# Altium PCB 400150.PcbDoc (part 3 of 3)
Units mil, origin at the board's own origin, x right, y up, seen from the top; angles counter-clockwise.
Board outline 4000 x 2500 mil, 4 copper layers (Top Layer, Mid-Layer 1, Mid-Layer 2, Bottom Layer), stack 62.293 mil thick; 195 components, 149 nets, 903 pads, 605 vias.
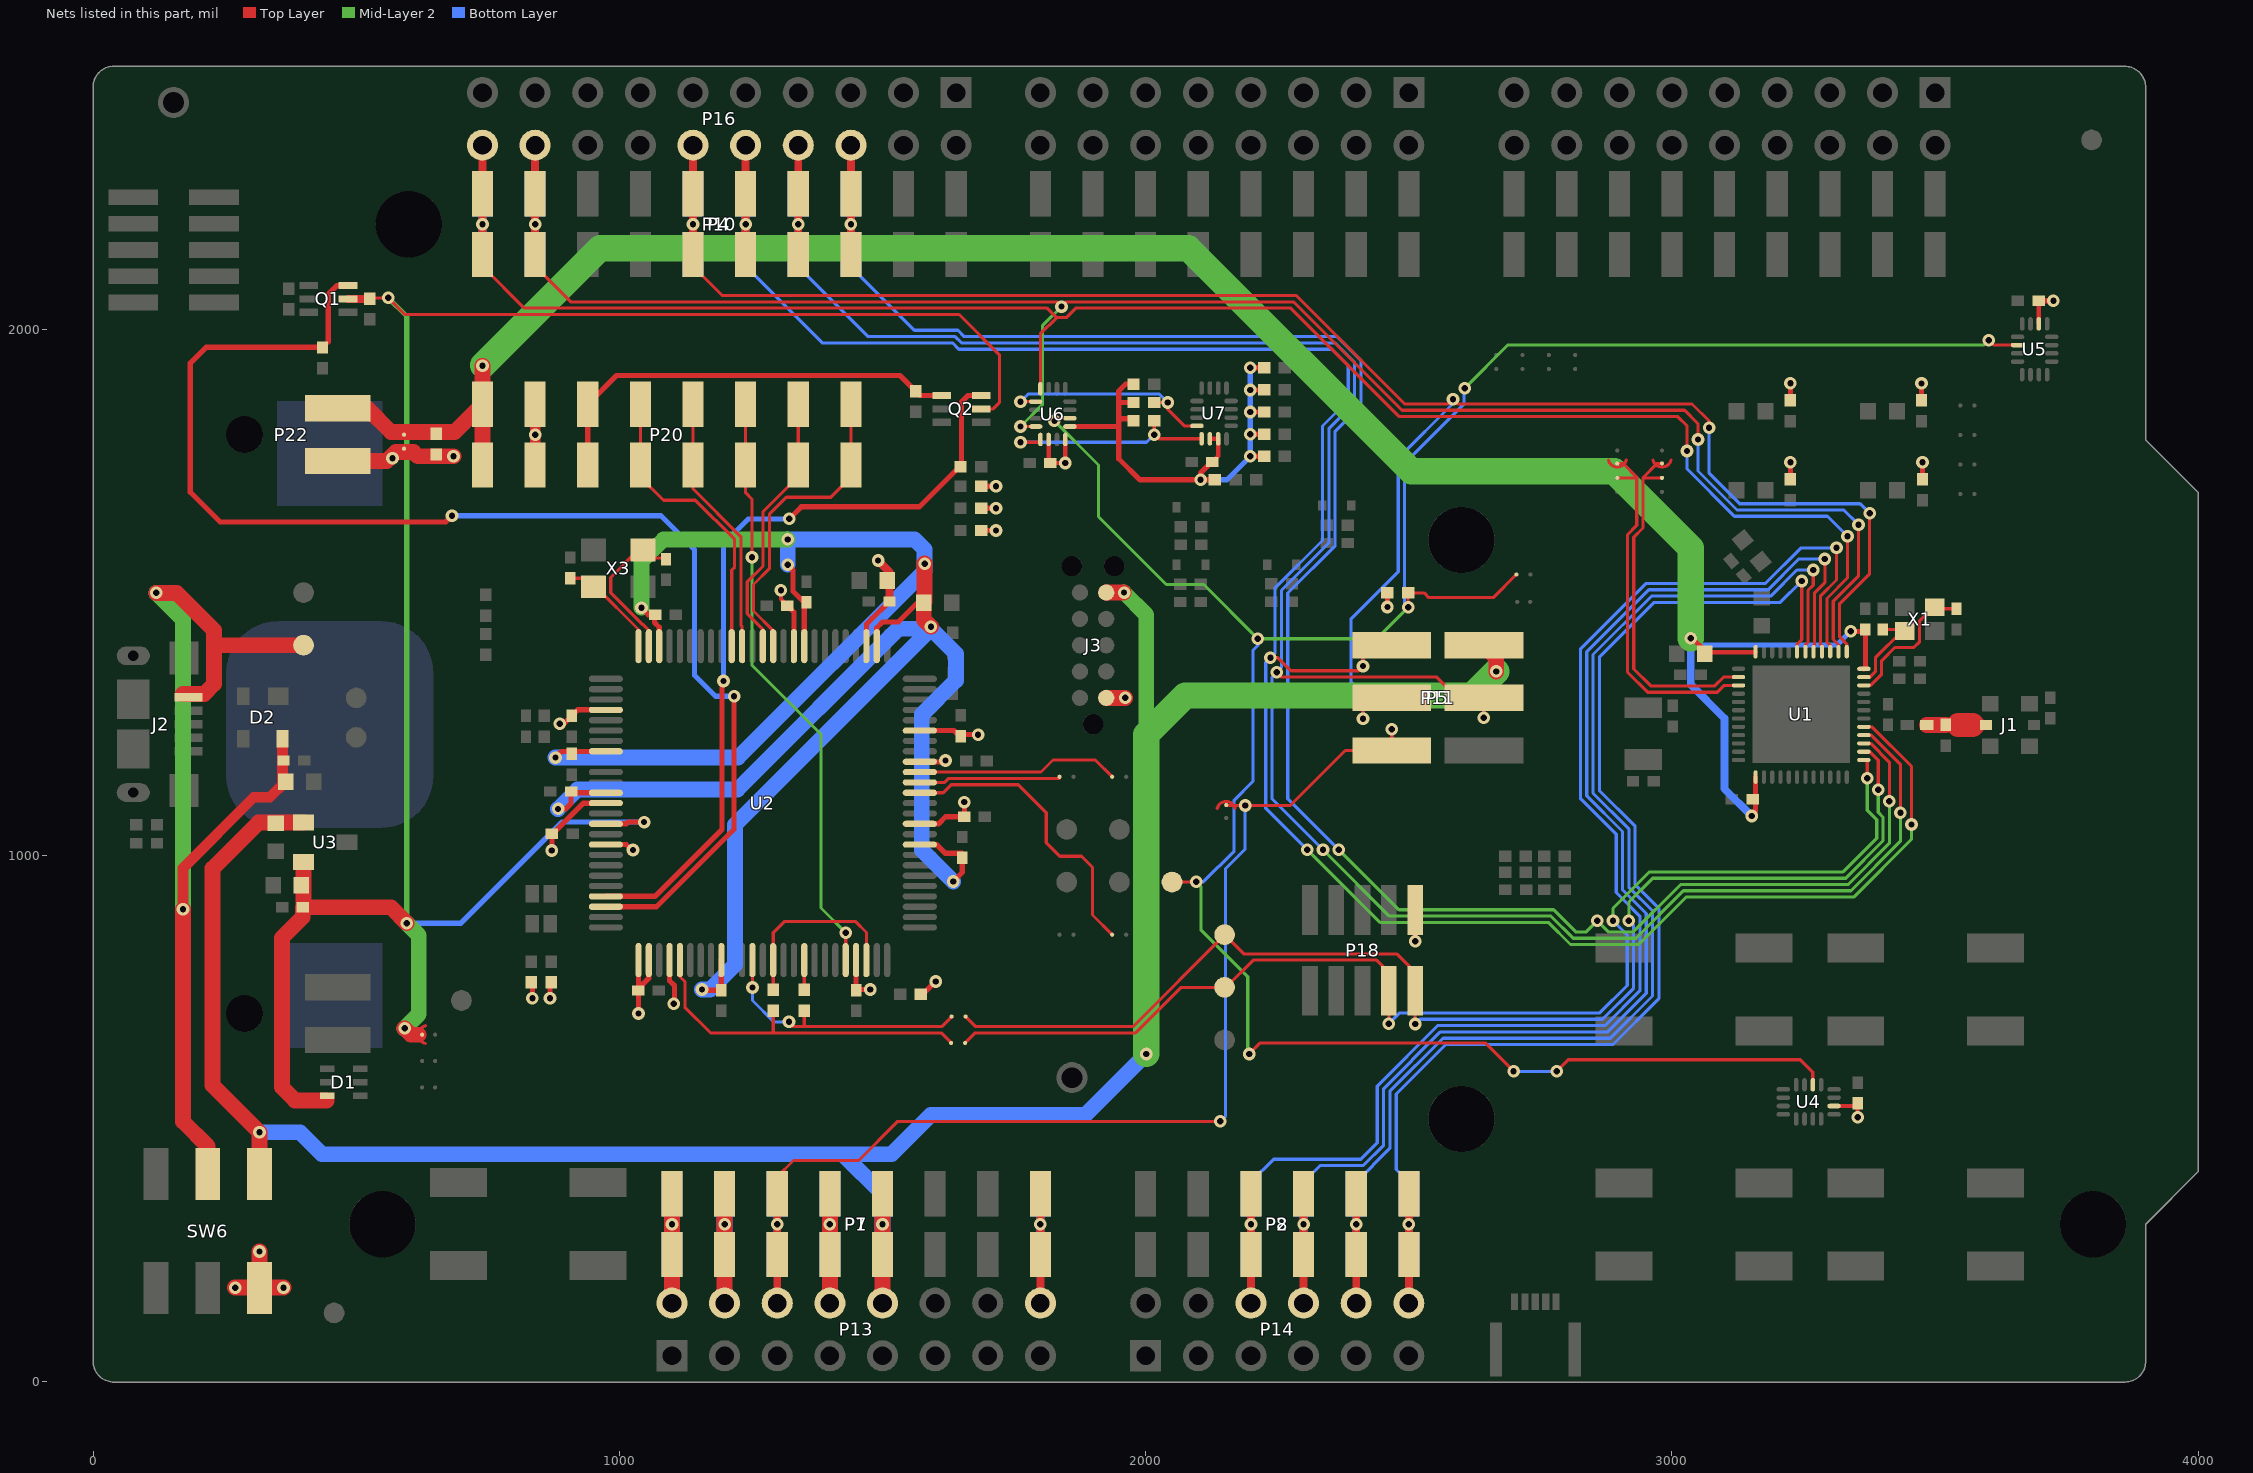
[diagram p5: the nets of this part, all layers, seen from the top]

## Via types
v1: diameter 24, hole 12, Top Layer to Bottom Layer, tented both sides, 568 vias
v2: diameter 24, hole 12, Top Layer to Bottom Layer, 21 vias
v3: diameter 25.98, hole 12.99, Top Layer to Bottom Layer, tented both sides, 16 vias

## Nets (pads, with @x,y where several pads share a name; then routed paths per layer and width w, separated by ;. In a path a pad name is that pad's centre, name@x,y a point inside that pad or via, vN(x,y) a via of type N, cw(c..) or ccw(c..) an arc to the next point about the centre after c; other vN are vias at no path point) (continued)
P0.22: P4.3 P10.3 P16.6 U1.27 | length 3855.2
  Top Layer w6: U1.27@3364.56,1213.05 3377.32,1213.05 3413,1177.36 v1(3413,1103.03)
  Top Layer w15: P4.3@1440,2118.6 v1(1440,2199.6) P4.3@1440,2257.28 P16.6@1440,2349.6
  Mid-Layer 2 w6: v1(2367,1011) 2481,897 2775,897 2817,855 2837,855 v1(2858,876) 2879,855 2926.74,855 3016.74,945 3335,945 3413,1023 v1(3413,1103.03)
  Bottom Layer w6: P10.3@1440,2141.93 1440,2118.6 1560.6,1998 1643.38,1998 1655.38,1986 2364,1986 2409,1941 2409,1855.17 2360,1806.17 2360,1588.74 2270,1498.74 2270,1107.89 v1(2367,1011)
  Bottom Layer w15: P10.3@1440,2141.93 v1(1440,2199.6) P10.3@1440,2257.28
P0.23: P4.4 P5.4 P10.4 P11.4 P16.8 U1.28 | length 4527.4
  Top Layer w6: v1(2249,1348) 2258,1339 2553,1339 2592.4,1299.6 P5.4@2642.5,1299.6 v1(2642.5,1261.6) ; U1.28@3364.56,1228.79 3378.54,1228.79 3434,1173.33 v1(3434,1081.03)
  Top Layer w15: P4.4@1340,2118.6 v1(1340,2199.6) P4.4@1340,2257.28 P16.8@1340,2349.6
  Mid-Layer 2 w6: v1(2337,1011) 2463,885 2770.03,885 2812.03,843 2931.71,843 3021.71,933 3340.03,933 3434,1026.97 v1(3434,1081.03)
  Bottom Layer w6: P10.4@1340,2141.93 1340,2118.6 1472.6,1986 1638,1986 1650,1974 2359.03,1974 2397,1936.03 2397,1860.14 2348,1811.14 2348,1593.71 2258,1503.71 2258,1357 v1(2249,1348) 2240,1339 2240,1108 v1(2337,1011) ; v1(2642.5,1261.6) 2642.5,1299.6 P11.4@2666.22,1299.6
  Bottom Layer w15: P10.4@1340,2141.93 v1(1340,2199.6) P10.4@1340,2257.28
P0.24: P4.5 P5.1 P10.5 P11.1 P16.10 U1.29 | length 4444
  Top Layer w6: v1(2237,1376) 2250.83,1376 2275.83,1351 2404,1351 v1(2413,1360) P5.1@2413,1399 ; U1.29@3364.56,1244.54 3379.76,1244.54 3455,1169.3 v1(3455,1059.03)
  Top Layer w15: P4.5@1240,2119.6 v1(1240,2199.6) P4.5@1240,2257.28 P16.10@1240,2349.6
  Mid-Layer 2 w6: v1(2307,1011) 2445,873 2765.06,873 2807.06,831 2936.68,831 3026.68,921 3345,921 3455,1031 v1(3455,1059.03)
  Bottom Layer w6: P10.5@1240,2141.93 1240,2119.6 1385.6,1974 1633.03,1974 1645.03,1962 2354.06,1962 2385,1931.06 2385,1865.11 2336,1816.11 2336,1598.68 2246,1508.68 2246,1385 v1(2237,1376) ; v1@2237,1375 v1(2237,1376) ; v1(2307,1011) 2228,1090 2228,1367 v1(2237,1376) ; v1(2413,1360) P11.1@2413,1400
  Bottom Layer w15: P10.5@1240,2141.93 v1(1240,2199.6) P10.5@1240,2257.28
P0.25: P4.6 P5.3 P10.6 P11.3 P16.12 U1.37 | length 3916.4
  Top Layer w6: P4.6@1140,2119.6 1195.6,2064 2286,2064 2492,1858 2575,1858 v1(2584,1867) 2593,1858 3038,1858 3070.47,1825.54 v1(3070.47,1812.54) ; v1(2413,1260) P5.3@2413,1298 ; U1.37@3332.08,1387.26 3332.08,1401.77 3318.47,1415.39 3318.47,1478.53 3375.47,1535.53 v1(3375.47,1650.54)
  Top Layer w15: P4.6@1140,2119.6 v1(1140,2199.6) P4.6@1140,2257.28 P16.12@1140,2349.6
  Bottom Layer w6: v1(2413,1260) P11.3@2413,1298 ; P11.3@2420.19,1299.6 P11.3@2443.78,1299.6 2420.4,1299.6 2390,1330 2390,1449 2480,1539 2480,1754.88 2584,1858.88 v1(2584,1867) ; v1(3070.47,1812.54) 3070.47,1726.51 3128.44,1668.54 3357.47,1668.54 v1(3375.47,1650.54)
  Bottom Layer w15: P10.6@1140,2141.93 v1(1140,2199.6) P10.6@1140,2257.28
P0.26: P4.9 P10.9 P16.18 U1.38 U6.12 | length 3677.8
  Top Layer w6: P4.9@840,2119.6 907.6,2052 1831,2052 v1(1840,2043) 1849,2052 2280.97,2052 2486.97,1846 3024,1846 3049.47,1820.54 v1(3049.47,1790.54) ; v1(1762.14,1815.15) U6.12@1791.14,1815.15 ; U1.38@3316.33,1387.26 3316.33,1400.55 3306.47,1410.42 3306.47,1483.5 3354.47,1531.5 v1(3354.47,1628.54)
  Top Layer w15: P4.9@840,2119.6 v1(840,2199.6) P4.9@840,2257.28 P16.18@840,2349.6
  Mid-Layer 2 w6: v1(1762.14,1815.15) 1804.31,1857.32 1804.31,2007.31 v1(1840,2043)
  Bottom Layer w6: v1(3049.47,1790.54) 3049.47,1730.54 3123.47,1656.54 3326.47,1656.54 v1(3354.47,1628.54)
  Bottom Layer w15: P10.9@840,2141.93 v1(840,2199.6) P10.9@840,2257.28
P0.27: P4.10 P10.10 P16.20 U1.39 U6.8 | length 3600
  Top Layer w6: P4.10@740,2119.6 819.6,2040 1812.83,2040 1830.83,2022 ; U6.8@1800,1887 1800,1991.18 1830.83,2022 ; v1(3028.47,1768.54) 3028.47,1816.54 3011,1834 2482,1834 2276,2040 1867,2040 1849,2022 1830.83,2022 ; U1.39@3300.59,1387.26 3300.59,1399.33 3294.47,1405.45 3294.47,1488.47 3333.47,1527.47 v1(3333.47,1606.54)
  Top Layer w15: P4.10@740,2119.6 v1(740,2199.6) P4.10@740,2257.28 P16.20@740,2349.6
  Bottom Layer w6: v1(3028.47,1768.54) 3028.47,1734.57 3118.5,1644.54 3295.47,1644.54 v1(3333.47,1606.54)
  Bottom Layer w15: P10.10@740,2141.93 v1(740,2199.6) P10.10@740,2257.28
P0.28: P2.3 P8.3 P14.6 U1.40 | length 2770.9
  Top Layer w6: U1.40@3284.84,1387.26 3284.84,1398.11 3282.47,1400.48 3282.47,1493.54 3312.47,1523.54 v1(3312.47,1584.54)
  Top Layer w15: P14.6@2200,149.6 P2.3@2200,241.93 v1(2200,299.6) P2.3@2200,357.28
  Bottom Layer w6: P8.3@2200,357.28 2200,380 2243,423 2408.68,423 2440,454.33 2440,562 2555,677 2872.94,677 2939,743.06 2939,884.83 2894,929.83 2894,1040.77 2826,1108.77 2826,1392 2951,1517 3177.74,1517 3245.28,1584.54 v1(3312.47,1584.54)
  Bottom Layer w15: P8.3@2200,241.93 v1(2200,299.6) P8.3@2200,357.28
P0.29: P2.4 P8.4 P14.8 U1.41 | length 2614.3
  Top Layer w6: U1.41@3269.09,1387.26 3269.09,1398.87 3270.47,1400.25 3270.47,1498.54 3290.47,1518.54 v1(3290.47,1563.54)
  Top Layer w15: P14.8@2300,149.6 P2.4@2300,241.93 v1(2300,299.6) P2.4@2300,357.28
  Bottom Layer w6: P8.4@2300,379.61 2331.4,411 2413.68,411 2452,449.33 2452,557 2560,665 2877.92,665 2951,738.09 2951,889.8 2906,934.8 2906,1045.74 2838,1113.74 2838,1386.95 2956.06,1505 3182.71,1505 3241.25,1563.54 v1(3290.47,1563.54)
  Bottom Layer w15: P8.4@2300,241.93 v1(2300,299.6) P8.4@2300,379.61
P0.30: P2.5 P8.5 P14.10 U1.42 | length 2451.5
  Top Layer w6: U1.42@3253.34,1387.26 3253.34,1400.1 3258.47,1405.22 3258.47,1503.79 3268.47,1513.79 v1@3268.47,1533.54
  Top Layer w15: P14.10@2400,149.6 P2.5@2400,241.93 v1(2400,299.6) P2.5@2400,357.28
  Bottom Layer w6: P8.5@2400,379.61 2464,443.6 2464,552.03 2564.97,653 2882.89,653 2963,733.12 2963,894.77 2918,939.77 2918,1050.71 2850,1118.71 2850,1381.97 2961.03,1493 3187.68,1493 3237.22,1542.54 v1(3268.47,1542.54)
  Bottom Layer w15: P8.5@2400,241.93 v1(2400,299.6) P8.5@2400,379.61
P0.31: P2.6 P8.6 P14.12 U1.43 | length 2374.7
  Top Layer w6: U1.43@3237.59,1387.26 3237.59,1401.32 3246.47,1410.19 v1(3246.47,1521.54)
  Top Layer w15: P14.12@2500,149.6 P2.6@2500,241.93 v1(2500,299.6) P2.6@2500,357.28
  Bottom Layer w6: P8.6@2500,357.28 2500,379.6 2476,403.6 2476,547.06 2569.94,641 2887.86,641 2975,728.15 2975,899.74 2930,944.74 2930,1055.68 2862,1123.68 2862,1377 2966,1481 3205.93,1481 v1(3246.47,1521.54)
  Bottom Layer w15: P8.6@2500,241.93 v1(2500,299.6) P8.6@2500,357.28
PB5: Q2.3 R10.2 U2.97 | length 1490
  Top Layer w10: U2.97@974.38,922.44 1067.84,922.44 1195,1049.6 1195,1328.6 v1(1198,1331.6) ; v1(1322.85,1639.6) 1345.85,1662.6 1570.28,1662.6 R10.2@1645.75,1738.08 ; R10.2@1650,1739.78 1650,1861.6 1662.59,1874.19 Q2.3@1687.41,1874.19
  Bottom Layer w10: v1(1198,1331.6) 1198,1592.6 1245,1639.6 v1(1322.85,1639.6)
PB6: Q1.3 R11.2 U2.98 | length 2561
  Top Layer w10: R11.2@436,1965.29 R11.2@436.32,1965.6 ; Q1.3@484.41,2083.19 463.59,2083.19 447,2066.6 447,1976.29 R11.2@436.32,1965.6 ; v1(682,1645.6) 670,1633.6 241.68,1633.6 185,1690.28 185,1935.6 215,1965.6 R11.2@436.32,1965.6 ; U2.98@974.38,902.75 1070.78,902.75 1218,1049.98 v1(1218,1302.6) ; v1@1221,1302.6 v1@1221,1304.6
  Bottom Layer w10: v1(682,1645.6) 1079,1645.6 1143,1581.6 1143,1342.6 1183,1302.6 v1@1217,1302.6
RESET: P1.3 P5.5 P7.3 P11.5 P13.6 SB17.1 | length 2297.9
  Top Layer w6: P1.3@1300,357.28 1300,389.6 1331,420.6 1454.6,420.6 1529,495 v1(2142,495) ; SB17.1@2154,1095 2167.62,1095 v1(2189,1095) 2274.9,1095 2379.5,1199.6 P5.5@2467.5,1199.6 ; P5.5@2467.69,1199.79 v1(2467.69,1240)
  Top Layer w15: P13.6@1300,149.6 P1.3@1300,241.93 v1(1300,299.6) P1.3@1300,357.28
  Bottom Layer w6: v1(2142,495) 2152,505 2152,975.33 2189,1012.33 v1(2189,1095) ; P11.5@2467.69,1199.6 v1(2467.69,1240)
  Bottom Layer w15: P7.3@1300,241.93 v1(1300,299.6) P7.3@1300,357.28
RF: C13.1 J1.1 L1.2 | length 62.9
  Top Layer w20: C13.1@3519.88,1248.16 C13.1@3520,1248.29
  Top Layer w30: L1.2@3484.17,1248.16 C13.1@3519.88,1248.16
  Top Layer w45: 3543.88,1248.16 3570.88,1248.16
RTS: SB24.2 U2.39 | length 576.5
  Top Layer w6: U2.39@1570.84,1119.29 1615.26,1119.29 1630.64,1134.66 1758,1134.65 1811.06,1081.59 1811.05,1024.55 1837,998.61 1878.01,998.6 1899.01,977.6 1899,887.01 SB24.2@1936.4,849.6
RXD: SB23.2 U2.40 | length 268.7
  Top Layer w6: U2.40@1570.84,1138.97 1617.98,1138.97 1625.66,1146.66 SB23.2@1836.4,1146.66
SCL_EXT: R30.1 U6.9 U7.12 | length 428.2
  Top Layer w6: v1(1762.14,1862.4) U6.9@1791.14,1862.4 ; R30.1@2016.31,1860.78 v1(2041.94,1860.78) 2041.94,1848 2073.56,1816.38 U7.12@2097.46,1816.38
  Bottom Layer w6: v1(1762.14,1862.4) 1776.52,1876.78 2025.4,1876.78 ; 2025.71,1877 v1(2041.94,1860.78)
SDA_EXT: R29.1 U6.13 U7.13 | length 417.5
  Top Layer w6: v1(1762.14,1785.15) U6.13@1800.14,1785.15 ; R29.1@2016.31,1825.78 v1(2016.31,1799.78) 2024.31,1791.78 U7.13@2106.32,1791.78
  Bottom Layer w6: v1(1762.14,1785.15) 2001.69,1785.15 v1(2016.31,1799.78)
SH_GND_DETECT: P20.8 U2.62 | length 601.1
  Top Layer w6: U2.62@1292.29,1397.83 1292.29,1427.31 1255,1464.6 1255,1514.93 1285,1544.93 1285,1648.2 1317.41,1680.6 1402,1680.6 1440,1718.6 P20.8@1440,1857.28
SH_RESET: P20.7 U2.63 | length 511.9
  Top Layer w6: U2.63@1272.61,1397.83 1272.61,1430.03 1243,1459.63 1243,1519.9 1273,1549.9 1273,1653.2 1340,1720.2 P20.7@1340,1741.93 P20.7@1340,1857.28
SH_SWDCLK: P20.5 U2.65 | length 498.1
  Top Layer w6: P20.5@1140,1857.28 1140,1696.6 1231,1605.6 1231,1437.69 1233.24,1435.46 U2.65@1233.24,1397.83
SH_SWDIO: P20.4 U2.66 | length 567.7
  Top Layer w6: P20.4@1040,1741.93 1040,1718.88 1083.85,1675.04 1144.57,1675.04 1219,1600.6 1219,1548.04 1213.56,1542.59 U2.66@1213.55,1397.83 ; P20.4@1040,1745.6 P20.4@1040,1857.28
SH_SWO: P20.6 U2.21 | length 1134.6
  Top Layer w6: P20.6@1240,1857.28 P20.6@1240,1741.93 1240,1689.04 1252,1677.04 v1(1252,1566.93) ; U2.21@1430.09,801.37 v1(1430.09,853.37)
  Mid-Layer 2 w6: v1(1252,1566.93) 1252,1361.46 1383.09,1230.37 1383.09,900.37 v1(1430.09,853.37)
SH_VTG: P20.3 Q2.4 R9.1 | length 941.6
  Top Layer w6: P20.3@940,1741.93 P20.3@940,1857.28
  Top Layer w10: P20.3@940,1741.93 P20.3@940,1857.28 994.73,1912 1533.29,1912 R9.1@1563,1882.29 1571.1,1874.19 Q2.4@1612.6,1874.19
SHIELD_DETECT: R39.1 SB19.2 TP15.1 U4.2 U5.2 U6.2 | length 4848.3
  Top Layer w6: v1(1826.62,1825.78) 1831.75,1830.9 U6.2@1856.1,1830.9 ; TP15.1@2050,949.6 2095.6,949.6 v1(2096,950) ; v1(2197,623) 2218,644 2645,644 v1(2699,590) ; v1(2499,1472) 2498.69,1472.32 R39.1@2498.69,1499 2529,1499 2538,1490 2660.4,1490 SB19.2@2704.4,1534 ; v1(2781,590) 2803,612 3243.67,612 3267.54,588.13 U4.2@3267.54,564.48 ; v1(3602,1979) 3611,1970 3656.4,1970 U5.2@3656.52,1969.88
  Mid-Layer 2 w6: v1(1826.62,1825.78) 1910.31,1742.09 1910.31,1644 2039.31,1515 2110,1515 v1(2213,1412) 2439,1412 v1(2499,1472) ; v1(2096,950) 2105,941 2105,859 2194,770 2194,626 v1(2197,623) ; v1(2606,1888) 2688,1970 3593,1970 v1(3602,1979)
  Bottom Layer w6: v1(2096,950) 2109.71,950 2168,1008.3 2168,1105 2204,1141 2204,1390 2213,1399 v1(2213,1412) ; v1(2499,1472) 2492,1479 2492,1745.31 2605,1858.31 2605,1887 v1(2606,1888) ; v1(2699,590) v1(2781,590)
SWDCLK: P18.4 SB21.1 TP10.1 U1.25 | length 2328
  Top Layer w6: SB21.1@1657.02,644 1676.02,663 1981,663 2067.6,749.6 TP10.1@2150,749.6 2152.6,749.6 2204.23,801.23 2438.78,801.23 2462,778 P18.4@2462,746.23 ; v1(2462,680.23) P18.4@2462,743 ; v1(3371,1147.03) U1.25@3371,1182.03
  Mid-Layer 2 w6: v1(2888,876) 2888,899.7 2957.31,969 3325.03,969 3389,1032.97 3389,1068 3371,1086 v1(3371,1147.03)
  Bottom Layer w6: v1(2462,680.23) 2482.78,701 2863,701 2915,753 2915,849 v1(2888,876)
SWDIO: P18.2 SB20.1 TP9.1 U1.26 | length 2391.2
  Top Layer w6: SB20.1@1658.02,694 1677.02,675 1976,675 2150.3,849.3 2186.38,813.23 2476.78,813.23 2512,778 P18.2@2512,746.23 ; v1(2512,680) P18.2@2512,743 ; U1.26@3364.56,1197.3 3375.97,1197.3 3392,1181.26 v1(3392,1125.03)
  Mid-Layer 2 w6: v1(2918,876) 2918,911.7 2963.31,957 3330.03,957 3401,1027.97 3401,1072.97 3392,1081.97 v1(3392,1125.03)
  Bottom Layer w6: v1(2512,680) 2521,689 2867.97,689 2927,748.03 2927,867 v1(2918,876)
TCKIN: R16.2 SB21.2 U2.5 | length 669.8
  Top Layer w6: U2.5@1115.13,801.37 1115.13,770.08 1124.61,760.6 1124.61,711.6 1173.21,663 1292.35,663 ; R16.2@1292.35,705.32 1292.35,663 ; SB21.2@1630.42,644 1611.42,663 1292.35,663
TCKOUT: R16.1 U2.14 U2.23 | length 343.6
  Top Layer w6: 1292.29,756.97 U2.14@1292.29,801.37 1292.29,853.58 1313.09,874.37 1449.09,874.37 1469.61,853.85 1469.61,801.52 U2.23@1469.46,801.37
TMSIN: R15.2 SB20.2 U2.12 | length 513.8
  Top Layer w6: v1(1252.92,749.37) U2.12@1252.92,801.37 ; v1(1322.35,684) 1331.35,675 1612.42,675 SB20.2@1631.42,694 ; 1351.35,675.26 R15.2@1351.35,705.32
  Bottom Layer w6: v1(1252.92,749.37) 1252.92,724.54 1293.46,684 v1(1322.35,684)
TMSOUT: R15.1 U2.17 | length 56.7
  Top Layer w6: R15.1@1351.35,744.69 U2.17@1351.35,801.37
TXD: SB25.2 U2.41 | length 388.3
  Top Layer w6: U2.41@1570.84,1158.66 1801.06,1158.66 1824,1181.6 1904.4,1181.6 SB25.2@1936.4,1149.6
USB_DETECT: C17.2 C18.2 D1.6 Q1.2 Q2.2 R7.1 SB10.2 U2.90 U3.2 | length 4223
  Top Layer w6: R7.1@526,2058.29 527.32,2059.6 v1(561,2059.6) 592.6,2028 1645.6,2028 1722.18,1951.43 1722.18,1860.64 1710.14,1848.6 Q2.2@1687.41,1848.6
  Top Layer w10: U2.90@974.38,1060.23 1013.11,1060.23 1016.48,1063.6 v1(1047,1063.6)
  Top Layer w15: Q1.2@484.41,2057.6 R7.1@525.32,2057.6
  Top Layer w30: U3.2@400,987.8 400,902.92 C18.2@398.69,901.6 ; 444,534.6 384,534.6 359,559.6 359,843.6 398.69,883.29 C18.2@398.69,901.6 ; v1(592,671.6) 604,659.6 619,659.6 ; v1(596,871.6) 566,901.6 C18.2@398.69,901.6
  Mid-Layer 2 w10: v1(561,2059.6) 596,2024.6 v1(596,871.6)
  Mid-Layer 2 w30: v1(592,671.6) 619,698.6 619,848.6 v1(596,871.6)
  Bottom Layer w10: v1(596,871.6) 699,871.6 891,1063.6 v1(1047,1063.6)
V5V: C16.2 J3.5 P1.5 P5.2 P7.5 P11.2 P13.10 SW6.6 U3.1 | length 4880
  Top Layer w30: SW6.6@316.43,394.87 v1(316.43,474.18) 227,563.6 227,975.18 314.43,1062.6 U3.1@400,1062.6 ; P13.10@1500,149.6 P1.5@1500,241.93 v1(1500,299.6) P1.5@1500,357.28 ; J3.5@1925,1499.6 v1@1958,1499.6 ; P5.2@2642.5,1399.6 2666.22,1375.88 v1(2666.22,1349.82)
  Mid-Layer 2 w30: v1(1959,1499.6) 2001,1457.6 2001,1138
  Mid-Layer 2 w50: v1(2001,623) 2001,1230 2075,1304 2620.4,1304 v1(2666.22,1349.82)
  Bottom Layer w30: v1(316.43,474.18) 393.43,474.18 435,432.6 1424.68,432.6 ; P7.5@1500,241.93 v1(1500,299.6) P7.5@1500,357.28 1424.68,432.6 ; v1(2001,623) 1885.6,507.6 1592,507.6 1517,432.6 1424.68,432.6 ; v1(2666.22,1349.82) P11.2@2666.22,1399.6
VBUS: C20.2 C21.2 D2.4 J2.1 SW6.5 TP3.1 | length 2047.6
  Top Layer w20: v1(171,898) 171,976 305.6,1110.6 336.04,1110.6 C20.2@366.04,1140.6 ; C20.2@360.01,1137.61 D2.4@360.01,1222.25
  Top Layer w30: v1(120,1499) 159,1499 230,1428 230,1325.76 211.25,1307 J2.1@171,1307 ; v1(171,898) 171,494.6 218,447.6 SW6.5@218,394.87 ; 231.4,1399.6 TP3.1@400,1399.6
  Mid-Layer 2 w30: v1(120,1499) 171,1448 v1(171,898)
VCORE: C25.2 C27.2 C31.2 C34.2 C36.1 C39.2 C40.2 U2.9 U2.34 U2.52 U2.59 U2.73 U2.83 U2.87 | length 4851.6
  Top Layer w10: v1(878.61,1186.13) 890.08,1197.6 U2.83@973.96,1197.6 ; v1(883.61,1088.6) 897.72,1088.6 908.29,1099.18 C40.2@908.29,1121.6 ; C40.2@914.96,1119.29 U2.87@974.38,1119.29 ; v1(1042,1470.6) 1055,1457.6 C36.1@1066.97,1457.6 ; C36.1@1067.92,1457.6 C36.1@1066.97,1457.6 ; U2.73@1075.76,1397.83 1075.76,1433.85 1066.97,1442.64 C36.1@1066.97,1457.6 ; v1(1157,745.6) 1158.32,744.29 C25.2@1193.61,744.29 ; C25.2@1193.87,745.27 U2.9@1193.87,801.37 ; v1(1320,1552.6) 1330,1542.6 1330,1502.24 1340,1492.24 C34.2@1353.47,1478.78 ; U2.59@1351.35,1397.83 1351.35,1476.66 C34.2@1353.47,1478.78 ; C34.2@1355.61,1480.92 C34.2@1353.47,1478.78 ; U2.52@1489.15,1397.83 1489.15,1432.71 1500.04,1443.6 1530,1443.6 1567,1480.6 C31.2@1578.43,1480.6 ; U2.34@1570.84,1020.86 1602.35,1020.86 1618.61,1004.6 C27.2@1649.94,1004.6 ; v1(1634.61,950.6) 1651.61,967.6 C27.2@1651.61,995.92 ; C27.2@1650.92,998.29 C27.2@1650.92,1004.6
  Top Layer w30: v1(1580,1554.6) 1580,1482.18 C31.2@1578.43,1480.6 1578.43,1448.18 v1(1592,1434.6)
  Mid-Layer 2 w30: v1(1042,1470.6) 1042,1558.6 1084,1600.6 v1(1320,1600.6)
  Bottom Layer w30: v1(878.61,1186.13) 1225.53,1186.13 1580,1540.6 v1(1580,1554.6) 1580,1581.6 1561,1600.6 v1(1320,1600.6) v1(1320,1552.6) ; v1(883.61,1088.6) 920.61,1125.6 1224.61,1125.6 1530,1431 v1@1592,1431 ; v1(1157,745.6) 1172.61,745.6 1219.61,792.6 1219.61,1058.6 v1@1592,1431 ; v1(1634.61,950.6) 1574.61,1010.6 1574.61,1267.77 1639.61,1332.77 1639.61,1383.39 v1@1592,1431
VDD_NRF: C5.1 C8.1 C9.1 P20.1 P22.1 R6.2 SB9.1 U1.13 U1.36 U1.48 | length 4322.1
  Top Layer w9: v1(3035.63,1412.93) 3038.89,1412.93 3062.2,1389.62 3065.55,1386.27 U1.48@3158.47,1386.27 ; v1(3151.47,1075.16) 3158.85,1082.55 U1.13@3158.85,1149.07
  Top Layer w10: v1(3339.47,1426.16) 3340.15,1425.48 3367.47,1425.48 3367.47,1357.68 U1.36@3364.56,1354.78
  Top Layer w15: C9.1@3062.2,1382.93 C9.1@3062.2,1389.62
  Top Layer w30: P22.1@465,1849.6 521,1849.6 566,1804.6 687.33,1804.6 P20.1@740,1857.28 ; P20.1@740,1741.93 P20.1@740,1857.28 ; v1(740,1930.6) P20.1@740,1857.28
  Mid-Layer 2 w50: v1@741,1931.6 963.4,2154 2081,2154 2505,1730 2890,1730 3035.63,1584.38 v1(3035.63,1412.93)
  Bottom Layer w10: v1(3035.63,1412.93) 3048.39,1400.16 3313.47,1400.16 ; 3313.88,1400.16 3313.47,1400.16 ; v1(3339.47,1426.16) 3313.47,1400.16
  Bottom Layer w15: v1(3035.63,1412.93) 3035.63,1324.82 3099.52,1260.93 3099.52,1127.11 v1(3151.47,1075.16)
VEXT: C47.2 R29.2 R30.2 R31.2 R32.2 R33.2 R34.2 R35.2 R36.2 R37.2 U6.1 U7.14 U7.15 | length 1033.9
  Top Layer w8: U7.14@2122.06,1791.78 U7.15@2137.81,1791.78 2137.81,1758.91 C47.2@2126.68,1747.78
  Top Layer w10: U6.1@1856.1,1815.15 1948.94,1815.15 ; R29.2@1976.94,1825.78 1972.94,1829.78 1952.01,1829.78 1948.94,1832.85 ; R30.2@1976.94,1860.78 1948.94,1860.78 ; R31.2@1976.94,1895.78 1962.18,1895.78 1948.94,1882.54 1948.94,1860.78 ; C47.2@2125.99,1748.46 2104.31,1726.78 v1(2104.31,1713.78) ; R37.2@2131.62,1713.78 v1(2104.31,1713.78) ; v1(2198.94,1758.63) R32.2@2225.25,1758.63 ; v1(2198.94,1800.63) R33.2@2225.25,1800.63 ; v1(2198.94,1842.63) R34.2@2225.25,1842.63 ; v1(2198.94,1884.63) R35.2@2225.25,1884.63 ; v1(2198.94,1926.63) R36.2@2225.25,1926.63 ; 1948.94,1815.15 1948.94,1832.85 ; 1948.94,1815.15 1948.94,1754 1989.17,1713.78 v1(2104.31,1713.78) ; 1948.94,1832.85 1948.94,1860.78
  Bottom Layer w10: v1(2104.31,1713.78) 2154.09,1713.78 v1(2198.94,1758.63) v1(2198.94,1800.63) v1(2198.94,1842.63) v1(2198.94,1884.63) v1(2198.94,1926.63)
VIN: P1.8 P7.8 P13.16 | length 323
  Top Layer w15: P13.16@1800,149.6 P1.8@1800,241.93 v1(1800,299.6) P1.8@1800,357.28
  Bottom Layer w15: P7.8@1800,241.93 v1(1800,299.6) P7.8@1800,357.28
VIO: C24.2 C26.2 C28.2 C29.2 C32.2 C33.2 C35.2 C38.2 C41.2 C44.2 C45.2 C46.2 J3.1 P1.1 P1.2 P1.4 P7.1 P7.2 P7.4 P13.2 P13.4 P13.8 P18.1 P20.2 P22.2 R1.2 R2.2 R3.2 R4.2 R5.2 R6.1 R19.2 R20.2 R21.2 R22.2 R23.2 R39.2 SB9.2 SW6.3 U2.1 U2.2 U2.4 U2.22 U2.36 U2.42 U2.45 U2.53 U2.60 U2.79 U2.88 U2.92 U4.14 U5.14 U6.14 U6.16 | length 3478.5
  Top Layer w6: P20.2@840,1728.6 P20.2@840,1741.93 ; U2.88@974.38,1099.6 U2.88@981,1099.6
  Top Layer w8: v1(1307,1503.93) 1307,1486.89 C35.2@1319.29,1474.6 ; C46.2@1812.75,1750.35 1817.16,1745.94 C46.2@1817.32,1745.78 ; C46.2@1815.75,1749.02 U6.14@1815.75,1790.55 ; C46.2@1818.99,1745.78 v1(1846.99,1745.78) ; v1@1847.25,1745.78 U6.16@1847.25,1790.55 ; U4.14@3307.9,524.13 3352.48,524.13 C44.2@3352.67,524.32 ; v1(3352.67,503) C44.2@3352.67,524.32 ; C44.2@3352.67,529.32 C44.2@3352.67,524.32 ; C45.2@3696.69,2054 3696.88,2053.81 U5.14@3696.88,2010.23
  Top Layer w10: v1@834.88,729.6 R20.2@834.88,758.92 ; v1@868.34,728.6 R19.2@868.34,758.92 ; v1@871.92,1009.6 C41.2@871.92,1041.6 ; C41.2@874.92,1042.92 931.61,1099.6 U2.88@974.38,1099.6 ; v1@885.61,1250.6 v1(886.61,1250.6) 894.92,1250.6 C38.2@909.61,1265.29 ; C38.2@909.92,1265.6 921.09,1276.77 U2.79@974.38,1276.77 ; U2.92@974.38,1020.86 1013.22,1020.86 1023.48,1010.6 v1(1026,1010.6) ; v1(1036.39,699.82) U2.1@1036.39,801.37 ; C24.2@1036.61,747.6 1056.07,767.07 U2.2@1056.07,801.37 ; U2.4@1095.44,801.37 1095.44,762.22 1104.61,753.05 v1@1104.61,718.6 ; C35.2@1319.29,1474.6 1331.66,1462.23 U2.60@1331.66,1397.83 ; C26.2@1449.78,752.12 U2.22@1449.78,801.37 ; C26.2@1451.32,745.6 v1(1477,745.6) ; U2.53@1469.46,1397.83 1469.46,1439.45 1479.81,1449.8 1509.18,1479.18 C32.2@1509.18,1482.6 ; U2.36@1570.84,1060.23 1606.24,1060.23 1619.61,1073.6 C28.2@1654.92,1073.6 1655.61,1074.29 v1(1655.61,1101.6) ; U2.42@1570.84,1178.34 1571.58,1177.6 v1@1619.61,1177.6 ; U2.45@1570.84,1237.4 1635.81,1237.4 1643.29,1229.92 v1@1686.29,1229.92 ; R5.2@1572.69,736.6 1577,736.6 v1(1601,760.6) ; R21.2@1687.53,1617.6 v1(1715.69,1617.6) ; R22.2@1687.53,1659.6 v1(1715.69,1659.6) ; R23.2@1687.53,1701.6 v1(1715.69,1701.6) ; v1(2459.32,1472.32) R39.2@2459.32,1499 ; v1(2512,837) P18.1@2512,896.55 ; R3.2@3225.01,1714.68 v1(3225.01,1747) ; R1.2@3225.01,1864.68 v1(3225.01,1897.31) ; R2.2@3474.01,1864.68 v1(3474.01,1897) ; R4.2@3476.01,1714.68 v1(3476.01,1747) ; C45.2@3696.69,2054 v1(3724.69,2054)
  Top Layer w15: v1(1400,299.6) P1.4@1400,357.28 ; v1(1491.61,1560.6) 1513.3,1538.92 C32.2@1513.3,1482.6
  Top Layer w20: P20.2@840,1741.93 P20.2@840,1857.28
  Top Layer w30: v1(270,179.07) v1(362,179.07) ; SW6.3@316.42,176.36 v1(316.42,247.62) ; P22.2@465,1749.6 558,1749.6 575,1766.6 609,1766.6 617,1758.6 v1(685,1758.6) ; P13.2@1100,149.6 P1.1@1100,241.93 P1.1@1100,357.28 ; P13.4@1200,149.6 v1(1200,299.6) P1.2@1200,357.28 ; P13.8@1400,149.6 P1.4@1400,357.28 ; J3.1@1925,1299.6 v1(1961,1299.6)
  Bottom Layer w30: P7.1@1100,241.93 P7.1@1100,357.28 ; P7.2@1200,241.93 P7.2@1200,357.28 ; P7.4@1400,241.93 P7.4@1400,357.28
  other v1: 1100,299.6 1103.61,718.6 834.88,728.92 868.34,728.92 871.61,1009.6 1619.61,1180.6 1681.61,1229.6 569,1754.6 840,1799.6
XC1: C1.1 U1.34 X1.1 | length 274.7
  Top Layer w6: U1.34@3364.56,1323.28 3377.32,1323.28 3398.36,1344.32 3398.36,1370.13 3423.39,1395.17 3459.46,1395.17 3470.46,1406.17 3470.46,1446.17 3493.15,1468.85 C1.1@3540.46,1468.85
XC2: C2.1 U1.35 X1.3 | length 167.4
  Top Layer w6: U1.35@3364.56,1339.03 3375.97,1339.03 3386.36,1349.42 3386.36,1375.61 3437.28,1426.53 X1.3@3441.92,1426.53 ; C2.1@3400.47,1429.48 X1.3@3438.97,1429.48
XIN: C22.1 U2.75 X3.3 | length 201.7
  Top Layer w6: C22.1@906.61,1526.92 934.35,1526.92 X3.3@950.6,1510.66 ; X3.3@950.6,1510.54 955.29,1510.54 1036.39,1429.44 U2.75@1036.39,1397.83
XL1: SB2.2 SB4.1 U1.2 | length 673.2
  Top Layer w6: SB2.2@2981,1717.6 2945.4,1717.6 2945,1718 ; SB4.1@2981,1745 2972,1745 2945,1718 ; U1.2@3126.37,1339.03 3097.76,1339.03 3081.1,1322.38 2959.63,1322.38 2927.47,1354.54 2927.47,1604.68 2945,1622.22 2945,1718
XL2: SB1.2 SB3.1 U1.3 | length 693.2
  Top Layer w6: SB1.2@2896,1717.6 2931.6,1717.6 ; SB3.1@2896,1745 2907,1745 2933,1719 2933,1627.19 2915.47,1609.66 2915.47,1348.54 2953.63,1310.38 3086.07,1310.38 3098.98,1323.28 U1.3@3126.37,1323.28
XOUT: C23.1 U2.74 X3.1 | length 294
  Top Layer w6: U2.74@1056.07,1397.83 1056.07,1427.53 1050,1433.6 1044.29,1439.31 1043.49,1439.31 983.61,1499.19 983.61,1528.21 1036.06,1580.66 X3.1@1044.62,1580.66 1059.99,1565.29 C23.1@1088.61,1565.29
pads on no net: Bat1.0 Fid1.0 Fid2.0 J2.4 J2.6@76.53,1119.68 J2.6@76.53,1379.52 J3.0 J3.7 J3.9 P18.7 P18.8 P19.7 P19.8 P21.0 P22.0 P23.0 P23.1 P23.3 P23.5 SW6.1 SW6.4 U1.44 U2.6 U2.8 U2.10 U2.11 U2.13 U2.15 U2.16 U2.19 U2.25 U2.26 U2.28 U2.29 U2.30 U2.31 U2.32 U2.33 U2.37 U2.44 U2.48 U2.49 U2.50 U2.58 U2.64 U2.69 U2.86 U2.93 U2.94 U2.95 U2.96 U2.99 U2.100 U4.10 U5.10 U6.3 U6.7 U6.10 U6.11 U6.15

## Polygon pours and split planes (outlines as drawn)
VIO on Mid-Layer 2 "Mid_Layer_2-VIO" (solid, remove dead copper, pour order 10): -104.87,-142.03 -104.87,2619.48 -96.26,2635.53 4116.93,2635.53 4127.7,2655.6 4127.7,-134 4132,-142.03
GND on Bottom Layer "Bottom_Layer-GND" (solid, remove dead copper, pour order 6): -410.29,-103.54 -410.29,2687.1 -400.99,2703.32 4149.73,2703.32 4161.35,2723.6 4161.35,-95.42 4166,-103.54
GND on Top Layer "Top_Layer-GND" (solid, remove dead copper, pour order 8): -140.68,-93.7 -140.68,2627.01 -132.14,2642.83 4042.07,2642.83 4052.74,2662.6 4052.74,-85.79 4057,-93.7
GND on Mid-Layer 1 "Mid_Layer_1-GND" (solid, remove dead copper, pour order 7): -138.74,-96.92 -138.74,2579.59 -129.93,2595.15 4177.6,2595.15 4188.6,2614.6 4188.6,-89.14 4193,-96.92

## Keep-outs
Keep-Out Layer:
  circle w6: c2600,499.6 r94.49
  circle w6: c600,2199.6 r94.49
  circle w6: c2600,1599.6 r94.49
  circle w6: c3800,299.6 r94.49
  circle w6: c550,299.6 r94.49
  lines w10: 3861,-0.4 ccw(c3860.5,39.1) 3900,39.6 3900,299.6 4000,399.6 4000,1689.6 3900,1789.6 3900,2459.6 ccw(c3860,2459.6) 3860,2499.6 40,2499.6 ccw(c39.5,2460.1) 0,2460.6 0,39.6 ccw(c40,39.6) 40,-0.4 3862,-0.4
Mechanical 3:
  lines w1: 209,1333.56 293,1333.56 ; 217,1208.6 411.61,1208.6 428.78,1191.43 527.44,1191.43 ccw(c527.44,1234.89) 558.17,1204.16 703.61,1349.6 cw(c741.44,1311.77) 741.44,1365.27 764.61,1365.27 ; 390,1333.56 467.04,1333.56 ccw(c467.04,1356.56) 483.31,1340.3 634.86,1491.85 cw(c686.61,1440.1) 686.61,1513.29 ; 686.61,1513.6 927.61,1513.6 cw(c927.61,1465.32) 961.75,1499.46 1059.68,1401.53 ; 764.11,1365.27 cw(c764.11,1316.99) 798.25,1351.13 896.18,1253.2 ; 997.8,1252.15 ccw(c997.8,1339.65) 1059.67,1401.52

## Other copper
Top Layer:
  rectangle net ANT: 3937,537.6 3987,567.6
  pour cut-out: 2383,1217.6 2680.03,1217.6 2679.97,1287.6 2383.01,1287.6
  pour cut-out: 3739.97,-50.4 4010.29,-50.4 4008.77,1787.6 3740.15,1787.6
  pour cut-out: 372,1318.6 460,1318.6 460,1251.6 372,1251.6
  pour cut-out: 342,730.6 430,730.6 430,560.6 342,560.6
  pour cut-out: -9.02,1110 111.17,1110 110.94,1388.6 -8.99,1388.6
  pour cut-out: 3470.47,1205.16 3362.47,1205.16 3362.47,1319.16 3470.47,1319.16
Mid-Layer 1:
  pour cut-out: 3742.88,1183.16 3386.88,1183.16 3386.88,1313.16 3742.88,1313.16
  pour cut-out: 3739.97,-50.4 4010.29,-50.4 4008.77,1787.6 3740.15,1787.6
Mid-Layer 2:
  pour cut-out: 3742.88,1183.16 3386.88,1183.16 3386.88,1313.16 3742.88,1313.16
  pour cut-out: 3739.97,-50.4 4010.29,-50.4 4008.77,1787.6 3740.15,1787.6
Bottom Layer:
  pour cut-out: 3739.97,-50.4 4010.29,-50.4 4008.77,1787.6 3740.15,1787.6

## Silkscreen, mask and mechanical layers (free items; w line width, h text height)
Top Overlay:
  circle w15: c1930.01,374.6 r7.07
  circle w15: c1030,374.6 r7.07
  circle w15: c3569,2125 r7.07
  circle w15: c2570,2124.6 r7.07
  circle w15: c1710,2124.6 r7.07
  lines w6: 2898,1084.16 3578.46,1084.16 3578.46,1634.16 2898,1634.16 2898,1084.16
  lines w10: 420,2399.6 3730,2399.6 ; 560,2449.6 670,2449.6 ; 660,2449.6 640,2459.6 640,2439.6 670,2449.6 ; 780,99.6 2550,99.6 ; 920,49.6 1030,49.6 ; 1020,49.6 1000,59.6 1000,39.6 1030,49.6 ; 3577,2447.6 3597,2437.6 3597,2457.6 3567,2447.6 ; 3677,2447.6 3567,2447.6 ; 670,2449.6 640,2469.6 640,2429.6 670,2449.6 ; 1030,49.6 1000,69.6 1000,29.6 1030,49.6 ; 3567,2447.6 3597,2427.6 3597,2467.6 3567,2447.6
  text "GND" at 420,2429.6 h70
  text "GND" at 3707,2427.6 h70
  text "GND" at 97,2329.6 h70
  text "0069KJP" at 3851,2068 h60 r90
  text "400150" at 3799.7,2065.45 h80 r90
  text "P0.27" at 760.01,1963.6 h70 r90
  text "P0.26" at 860.01,1963.6 h70 r90
  text "P0.02" at 960.01,1963.6 h70 r90
  text "GND" at 1060.01,1963.6 h70 r90
  text "P0.25" at 1160.01,1963.6 h70 r90
  text "P0.24" at 1260.01,1963.6 h70 r90
  text "P0.23" at 1360.01,1963.6 h70 r90
  text "P0.22" at 1460.01,1963.6 h70 r90
  text "P0.20" at 1560.01,1963.6 h70 r90
  text "P0.19" at 1660.01,1963.6 h70 r90
  text "P0.18" at 1820.01,1963.6 h70 r90
  text "P0.17" at 1920.01,1963.6 h70 r90
  text "P0.16" at 2020.01,1963.6 h70 r90
  text "P0.15" at 2120.01,1963.6 h70 r90
  text "P0.14" at 2220.01,1963.6 h70 r90
  text "P0.13" at 2320.01,1963.6 h70 r90
  text "P0.12" at 2420.01,1963.6 h70 r90
  text "P0.11" at 2520.01,1963.6 h70 r90
  text "P0.10" at 2720.01,1963.6 h70 r90
  text "P0.09" at 2820.01,1963.6 h70 r90
  text "P0.08" at 2920.01,1963.6 h70 r90
  text "P0.07" at 3020.01,1963.6 h70 r90
  text "P0.06" at 3120.01,1963.6 h70 r90
  text "P0.05" at 3220.01,1963.6 h70 r90
  text "P0.21" at 3320.01,1963.6 h70 r90
  text "P0.01" at 3420.01,1963.6 h70 r90
  text "P0.00" at 3521,1963.6 h70 r90
  text "Debug out" at 16,1958.6 h80
  text "LED1" at 3065.01,1872 h80
  text "LED2" at 3309.01,1872 h80
  text "GPIO" at 2756,1735 h60
  text "LED3" at 3060.01,1723 h80
  text "LED4" at 3310.01,1723 h80
  text "XTAL" at 2756,1685 h60
  text "nRF current" at 143,1638.6 h80
  text "measurement" at 124,1587.6 h80
  text "P0.24" at 2274.31,1380.78 h60
  text "5V" at 2726.31,1378.78 h60
  text "P0.23" at 2726.31,1281.78 h60
  text "P0.25" at 2272.31,1280.78 h60
  text "DETECT" at 2722.85,1183.6 h60
  text "RESET" at 2242.31,1180.78 h60
  text "NORDIC" at 3843,931.6 h150 r90
  text "SEMICONDUCTOR" at 3901.7,928.22 h65 r90
  text "Button 1" at 2920.89,877.45 h90
  text "Button 2" at 3352.89,877.45 h90
  text "External supply" at 91,814.6 h80
  text "www.nordicsemi.com" at 3980.92,735.93 h83 r90
  text "-" at 542,718.6 h70
  text "Debug in" at 2291,630 h80
  text "+" at 542,618.6 h70
  text "GND" at 1804,482 h70
  text "IF BOOT/RESET" at 601,442.6 h80
  text "Button 4" at 3354.89,436.89 h90
  text "Button 3" at 2917.89,436.45 h90
  text "VDD" at 1116.75,411.48 h70 r90
  text "VDD" at 1216.75,411.48 h70 r90
  text "RESET" at 1316.75,411.48 h70 r90
  text "VDD" at 1416.75,411.48 h70 r90
  text "5V" at 1516.75,411.48 h70 r90
  text "GND" at 1616.75,411.48 h70 r90
  text "GND" at 1716.75,411.48 h70 r90
  text "P0.03" at 2016.75,411.48 h70 r90
  text "P0.04" at 2116.75,411.48 h70 r90
  text "P0.28" at 2216.75,411.48 h70 r90
  text "P0.29" at 2316.75,411.48 h70 r90
  text "P0.30" at 2416.75,411.48 h70 r90
  text "P0.31" at 2516.75,411.48 h70 r90
  text "NFC" at 2680.47,187.54 h90
  text "OFF" at 115,73.6 h70
  text "ON" at 250,73.6 h70
  text "GND" at 780,29.6 h70
  text "Power" at 132,19.6 h80
Bottom Overlay:
  drawing of 7314 lines, arcs and shapes, not listed
  text "J-Link" at 363.88,2400.2 h57 r90
  text "www.segger.com" at 409.18,2397 h66 r90
  text "TM" at 347.28,2263.6 h37 r90
  text "Pb" at 3807.28,2257.6 h120 r90
  text "S" at 290.68,2255.2 h53 r90
  text "E" at 290.68,2220.17 h53 r90
  text "Technology" at 363.88,2213.1 h57 r90
  text "G" at 290.68,2189.3 h53 r90
  text "G" at 290.68,2150.3 h53 r90
  text "E" at 290.68,2110 h53 r90
  text "P0.27" at 760.01,2090.6 h70 r90
  text "P0.26" at 860.01,2090.6 h70 r90
  text "P0.02" at 960.01,2090.6 h70 r90
  text "GND" at 1060.01,2090.6 h70 r90
  text "P0.25" at 1160.01,2090.6 h70 r90
  text "P0.24" at 1260.01,2090.6 h70 r90
  text "P0.23" at 1360.01,2090.6 h70 r90
  text "P0.22" at 1460.01,2090.6 h70 r90
  text "P0.20" at 1560.01,2090.6 h70 r90
  text "P0.19" at 1660.01,2090.6 h70 r90
  text "P0.18" at 1820.01,2090.6 h70 r90
  text "P0.17" at 1920.01,2090.6 h70 r90
  text "P0.16" at 2020.01,2090.6 h70 r90
  text "P0.15" at 2120.01,2090.6 h70 r90
  text "P0.14" at 2220.01,2090.6 h70 r90
  text "P0.13" at 2320.01,2090.6 h70 r90
  text "P0.12" at 2420.01,2090.6 h70 r90
  text "P0.11" at 2520.01,2090.6 h70 r90
  text "P0.10" at 2720.01,2090.6 h70 r90
  text "P0.09" at 2820.01,2090.6 h70 r90
  text "P0.08" at 2920.01,2090.6 h70 r90
  text "P0.07" at 3020.01,2090.6 h70 r90
  text "P0.06" at 3120.01,2090.6 h70 r90
  text "P0.05" at 3220.01,2090.6 h70 r90
  text "P0.21" at 3320.01,2090.6 h70 r90
  text "P0.00" at 3521,2089.6 h70 r90
  text "P0.01" at 3419.01,2089.28 h70 r90
  text "R" at 290.68,2077.1 h53 r90
  text "GPIO" at 1186.47,1837.54 h78.5 r90
  text "GPIO" at 3009.47,1833.54 h78.5 r90
  text "nRF52 target" at 1085.47,1822.54 h90 r90
  text "nRF52 target" at 2901.47,1819.54 h90 r90
  text "P0.06" at 1767.28,1817.6 h90 r90
  text "P0.00" at 1316.28,1816.6 h90 r90
  text "P0.01" at 1518.28,1816.6 h90 r90
  text "P0.05" at 1667.28,1816.6 h90 r90
  text "P0.07" at 1867.28,1816.6 h90 r90
  text "P0.08" at 1967.28,1816.6 h90 r90
  text "P0.09" at 2097.28,1816.6 h90 r90
  text "P0.10" at 2257.28,1816.6 h90 r90
  text "P0.13" at 3090.28,1815.6 h90 r90
  text "P0.14" at 3196.28,1815.6 h90 r90
  text "P0.15" at 3302.28,1815.6 h90 r90
  text "P0.16" at 3408.28,1815.6 h90 r90
  text "P0.17" at 3514.28,1815.6 h90 r90
  text "P0.18" at 3620.28,1815.6 h90 r90
  text "P0.19" at 3726.28,1815.6 h90 r90
  text "P0.20" at 3832.28,1815.6 h90 r90
  text "Function" at 1184.47,1571.54 h78.5 r90
  text "Function" at 3008.47,1570.54 h78.5 r90
  text "Button 1" at 3090.28,1542.6 h90 r90
  text "Button 2" at 3196.28,1542.6 h90 r90
  text "Button 3" at 3302.28,1542.6 h90 r90
  text "Button 4" at 3408.28,1542.6 h90 r90
  text "LED 1" at 3514.28,1497.6 h90 r90
  text "LED 2" at 3620.28,1497.6 h90 r90
  text "LED 3" at 3726.28,1497.6 h90 r90
  text "LED 4" at 3832.28,1497.6 h90 r90
  text "NFC2" at 2257.47,1497.54 h90 r90
  text "NFC1" at 2099.47,1495.54 h90 r90
  text "TXD" at 1766.28,1483.6 h90 r90
  text "RTS" at 1667.28,1481.6 h90 r90
  text "XL1" at 1316.28,1480.6 h90 r90
  text "XL2" at 1517.28,1480.6 h90 r90
  text "CTS" at 1867.28,1480.6 h90 r90
  text "RXD" at 1967.28,1480.6 h90 r90
  text "SB13" at 1667.28,1221.6 h90 r90
  text "SB14" at 1767.28,1220.6 h90 r90
  text "SB15" at 1867.28,1220.6 h90 r90
  text "SB16" at 1967.28,1220.6 h90 r90
  text "SB2" at 1269.28,1200.6 h90 r90
  text "SB1" at 1467.28,1200.6 h90 r90
  text "SB3" at 1567.28,1200.6 h90 r90
  text "SB4" at 1367.28,1199.6 h90 r90
  text "SB5" at 3514.28,1199.6 h90 r90
  text "SB6" at 3620.28,1199.6 h90 r90
  text "SB7" at 3726.28,1199.6 h90 r90
  text "SB8" at 3832.28,1199.6 h90 r90
  text "Short" at 1184.47,1195.54 h78.5 r90
  text "Short" at 3009.47,1190.54 h78.5 r90
  text "nRF" at 1376,913.6 h70 r90
  text "nRF" at 1864,913.6 h70 r90
  text "nRF" at 2246.73,913.6 h70 r90
  text "nRF" at 3140.73,912.6 h70 r90
  text "nRF" at 3758.73,912.6 h70 r90
  text "IF MCU" at 1737.28,890.1 h70 r90
  text "PIN" at 3632,849.6 h70 r90
  text "PIN" at 3355,847.6 h70 r90
  text "HW" at 3008.47,835.54 h78.5 r90
  text "HW" at 1184.47,834.54 h78.5 r90
  text "PIN" at 2056.28,827.6 h70 r90
  text "VDD" at 3548.28,723.6 h70 r90
  text "NFC" at 2177.28,711.6 h70 r90
  text "PIN" at 1288.5,694.6 h70 r90
  text "PIN" at 1867,694.6 h70 r90
  text "RESET" at 1316.75,571.48 h70 r90
  text "P0.29" at 2316.75,535.27 h70 r90
  text "P0.30" at 2416.75,534.92 h70 r90
  text "P0.31" at 2516.75,534.69 h70 r90
  text "P0.04" at 2116.75,533.93 h70 r90
  text "P0.28" at 2216.75,534.34 h70 r90
  text "P0.03" at 2016.75,528.28 h70 r90
  text "GND" at 1616.75,515.45 h70 r90
  text "GND" at 1716.75,515.45 h70 r90
  text "VDD" at 1116.75,510.32 h70 r90
  text "VDD" at 1216.75,510.32 h70 r90
  text "VDD" at 1416.75,510.32 h70 r90
  text "mbed.org" at 450.99,486.78 h66 r90
  text "5V" at 1516.75,468.11 h70 r90
Mechanical 1:
  the board outline again, w10

## Text inside footprints (layer, text, board x,y; h text height)
LD5: Top Overlay "+" at 861.61,847.23 h30 r180; Top Overlay "-" at 861.61,971.24 h30 r180
P18: Top Overlay "1" at 2504,957.78 h27
P19: Top Overlay "1" at 328.2,2044.3 h40 r90